# KiCad board digital.kicad_pcb (continued)
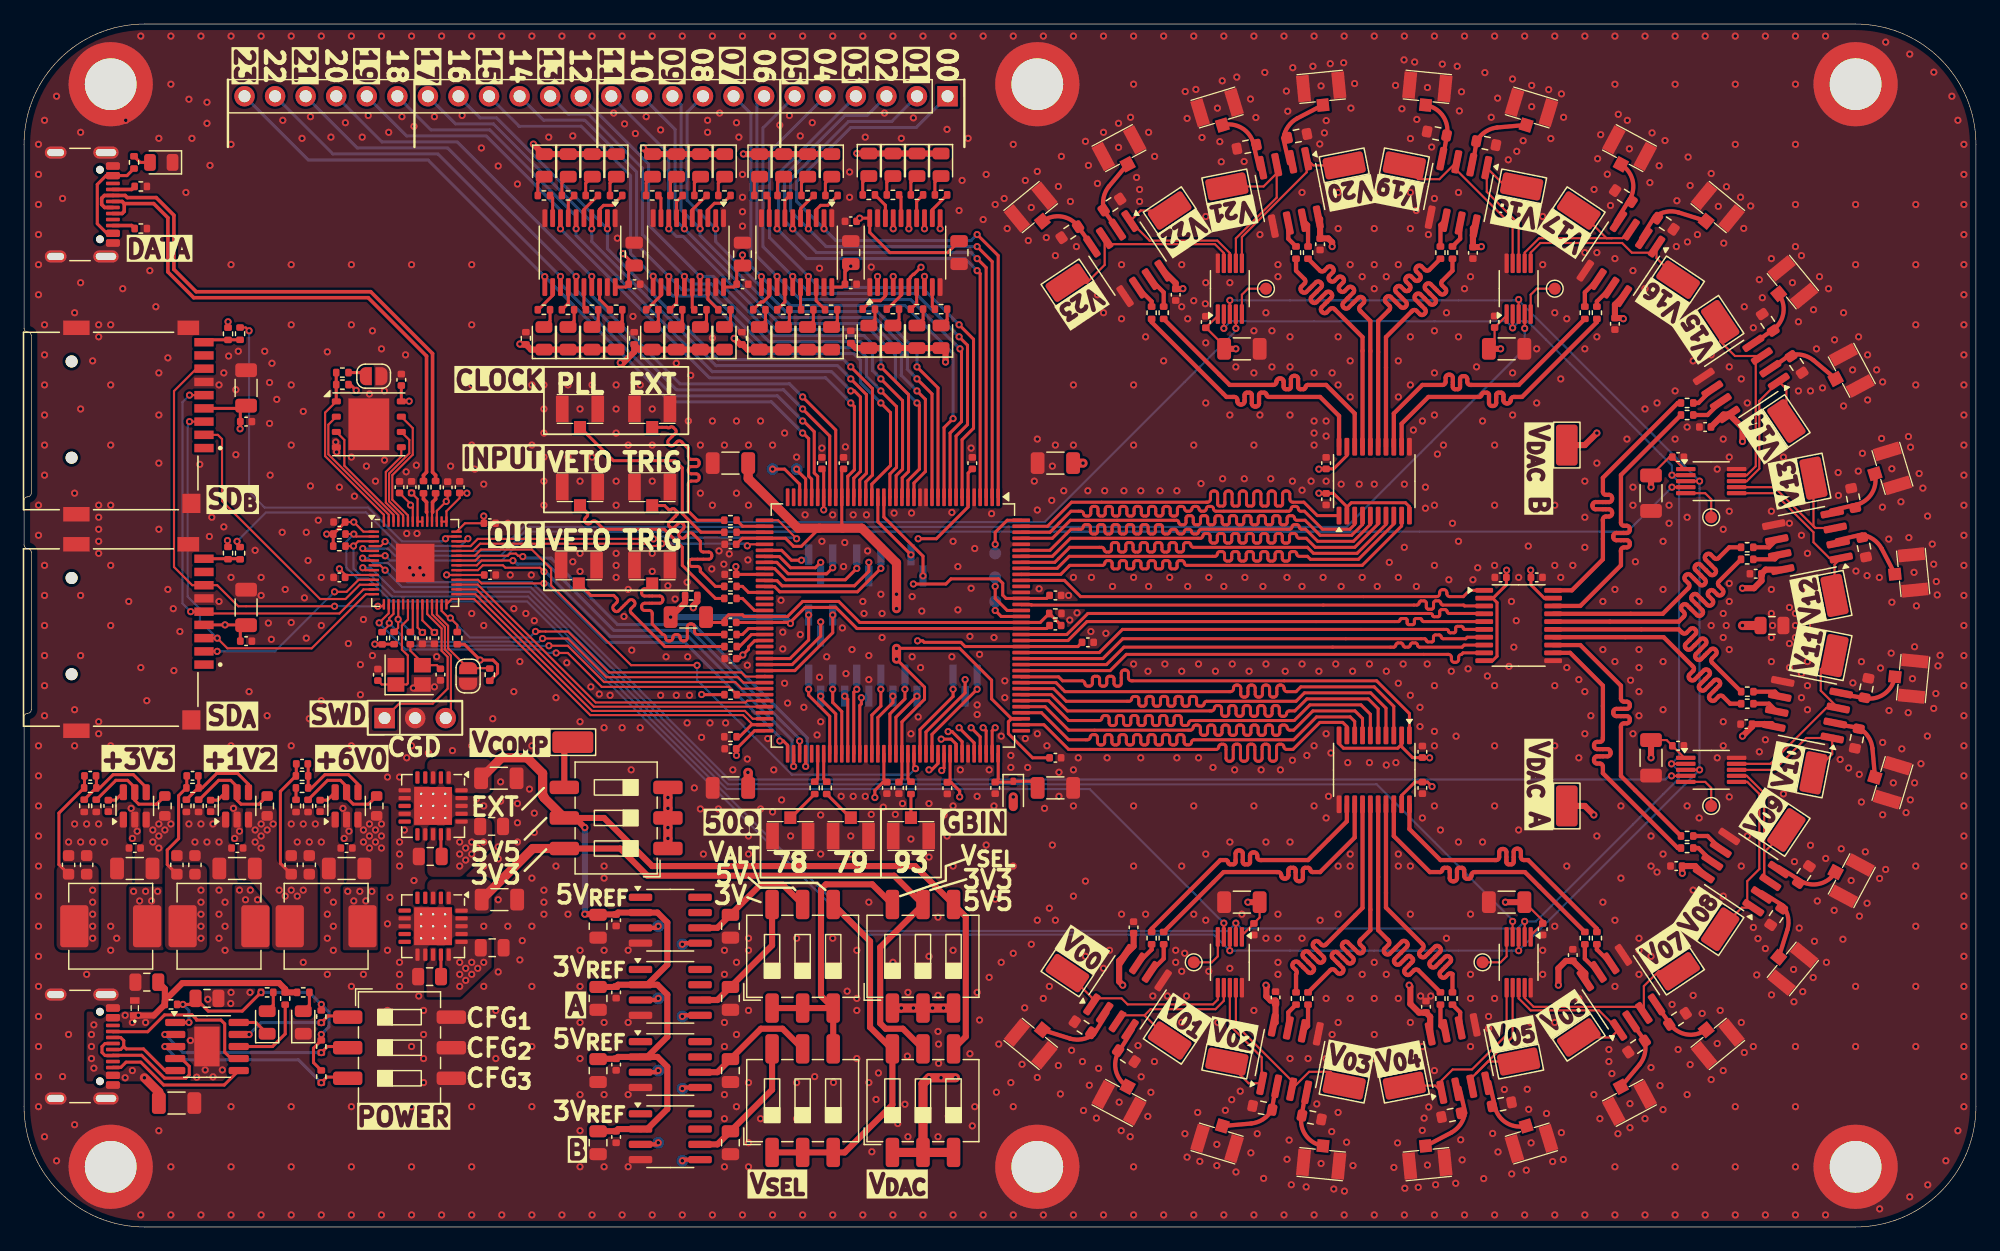
[diagram p0: board, top side]
## Placement (name value [footprint] x y rotation side) (continued)
TP18  TestPoint  [TestPoint_Pad_D1.0mm]  121.2 22 90 top
TP19  TestPoint_Alt  [TestPoint_Keystone_5015_Micro_Mini]  140.95 24.75 236.2 top
TP20  TestPoint_Alt  [TestPoint_Keystone_5015_Micro_Mini]  146.45 33 236.2 top
TP21  TestPoint_Alt  [TestPoint_Keystone_5015_Micro_Mini]  148.7 37.75 258.8 top
TP22  TestPoint_Alt  [TestPoint_Keystone_5015_Micro_Mini]  150.45 47.5 258.8 top
TP23  TestPoint  [TestPoint_Pad_D1.0mm]  140.2 35 90 top
TP24  TestPoint_Alt  [TestPoint_Keystone_5015_Micro_Mini]  128.2 65 270 top
TP25  TestPoint  [TestPoint_Pad_D1.0mm]  52.7 19 90 bottom
TP26  TestPoint_Alt  [TestPoint_Keystone_5015_Micro_Mini]  150.45 52.5 281.2 top
TP27  TestPoint  [TestPoint_Pad_D1.0mm]  54.7 17.5 90 bottom
TP28  TestPoint_Alt  [TestPoint_Keystone_5015_Micro_Mini]  148.7 62.25 281.2 top
TP29  TestPoint_Alt  [TestPoint_Keystone_5015_Micro_Mini]  146.45 67 303.8 top
TP30  TestPoint_Alt  [TestPoint_Keystone_5015_Micro_Mini]  140.95 75.25 303.8 top
TP31  TestPoint  [TestPoint_Pad_D1.0mm]  140.2 59 90 top
TP32  TestPoint_Alt  [TestPoint_Keystone_5015_Micro_Mini]  137.45 78.75 326.2 top
TP33  TestPoint_Alt  [TestPoint_Keystone_5015_Micro_Mini]  129.2 84.5 326.2 top
TP34  TestPoint  [TestPoint_Pad_D1.0mm]  52.7 25 90 bottom
TP35  TestPoint_Alt  [TestPoint_Keystone_5015_Micro_Mini]  124.45 86.5 348.8 top
TP36  TestPoint  [TestPoint_Pad_D1.0mm]  54.7 23.5 90 bottom
TP37  TestPoint_Alt  [TestPoint_Keystone_5015_Micro_Mini]  114.7 88.25 348.8 top
TP38  TestPoint  [TestPoint_Pad_D1.0mm]  127.2 78 90 top
TP39  TestPoint_Alt  [TestPoint_Keystone_5015_Micro_Mini]  109.7 88.25 11.2 top
TP40  TestPoint_Alt  [TestPoint_Keystone_5015_Micro_Mini]  99.95 86.5 11.2 top
TP41  TestPoint_Alt  [TestPoint_Keystone_5015_Micro_Mini]  95.2 84.5 33.8 top
TP42  TestPoint_Alt  [TestPoint_Keystone_5015_Micro_Mini]  86.7 78.5 33.8 top
TP43  TestPoint  [TestPoint_Pad_D1.0mm]  103.2 78 180 top
TP44  TestPoint_Alt  [TestPoint_Keystone_5015_Micro_Mini]  45.6 40.3 0 top
TP45  TestPoint  [TestPoint_Pad_D1.0mm]  64.2 63 90 bottom
TP46  TestPoint  [TestPoint_Pad_D1.0mm]  62.2 63 90 bottom
U1  ICE40HX4K-TQ144  [TQFP-144_20x20mm_P0.5mm]  72.2 50 270 top
U2  74HC244  [TSSOP-20_4.4x6.5mm_P0.65mm]  73.2 81 90 top
U3  W25Q32JVZP  [WSON-8-1EP_6x5mm_P1.27mm_EP3.4x4.3mm]  28.65 66.72 0 top
U4  RP2040  [QFN-56-1EP_7x7mm_P0.4mm_EP3.2x3.2mm]  32.5 55.2 0 top
U5  TPS54302  [SOT-23-6]  17.7 35 90 top
U6  TPS7A4701  [Texas_RGW0020A_VQFN-20-1EP_5x5mm_P0.65mm_EP3.15x3.15mm_ThermalVias]  33.99 25 270 top
U7  TPS7A4701  [Texas_RGW0020A_VQFN-20-1EP_5x5mm_P0.65mm_EP3.15x3.15mm_ThermalVias]  33.99 35 270 top
U8  TPS54302  [SOT-23-6]  9.2 35 90 top
U9  TPS54302  [SOT-23-6]  26.8 35 90 top
U10  CH224K  [SSOP-10-1EP_3.9x4.9mm_P1mm_EP2.1x3.3mm]  15.2 15 0 top
U11  74HC244  [TSSOP-20_4.4x6.5mm_P0.65mm]  64.2 81 270 top
U12  74HC244  [TSSOP-20_4.4x6.5mm_P0.65mm]  55.2 81 270 top
U13  74HC244  [TSSOP-20_4.4x6.5mm_P0.65mm]  46.2 81 270 top
U14  REF5030ID  [SOIC-8_3.9x4.9mm_P1.27mm]  53.7 7.5 0 top
U15  MCP4728  [MSOP-10_3x3mm_P0.5mm]  100.2 22 270 top
U16  MCP4728  [MSOP-10_3x3mm_P0.5mm]  124.2 22 270 top
U17  REF5050ID  [SOIC-8_3.9x4.9mm_P1.27mm]  53.7 13.5 0 top  (not fitted)
U18  MCP4728  [MSOP-10_3x3mm_P0.5mm]  140.2 38 0 top
U19  REF5030ID  [SOIC-8_3.9x4.9mm_P1.27mm]  53.7 19.5 0 top
U20  MCP4728  [MSOP-10_3x3mm_P0.5mm]  140.2 62 0 top
U21  MCP4728  [MSOP-10_3x3mm_P0.5mm]  124.2 78 90 top
U22  REF5050ID  [SOIC-8_3.9x4.9mm_P1.27mm]  53.7 25.5 0 top  (not fitted)
U23  MCP4728  [MSOP-10_3x3mm_P0.5mm]  100.2 78 90 top
U24  TXB0108PW  [TSSOP-20_4.4x6.5mm_P0.65mm]  112.2 38 270 top
U25  TLV3502AIDR  [SOIC-8_3.9x4.9mm_P1.27mm]  91.7 19.5 56.2 top
U26  TLV3502AIDR  [SOIC-8_3.9x4.9mm_P1.27mm]  148.2 57 191.2 top
U27  TLV3502AIDR  [SOIC-8_3.9x4.9mm_P1.27mm]  105.2 14 78.8 top
U28  TLV3502AIDR  [SOIC-8_3.9x4.9mm_P1.27mm]  142.7 70.5 213.8 top
U29  TXB0108PW  [TSSOP-20_4.4x6.5mm_P0.65mm]  124.2 50 0 top
U30  TLV3502AIDR  [SOIC-8_3.9x4.9mm_P1.27mm]  119.2 14 101.2 top
U31  TLV3502AIDR  [SOIC-8_3.9x4.9mm_P1.27mm]  132.7 80.5 236.2 top
U32  TLV3502AIDR  [SOIC-8_3.9x4.9mm_P1.27mm]  132.7 19.5 123.8 top
U33  TLV3502AIDR  [SOIC-8_3.9x4.9mm_P1.27mm]  119.2 86 258.8 top
U34  TXB0108PW  [TSSOP-20_4.4x6.5mm_P0.65mm]  112.2 62 90 top
U35  TLV3502AIDR  [SOIC-8_3.9x4.9mm_P1.27mm]  142.7 29.5 146.2 top
U36  TLV3502AIDR  [SOIC-8_3.9x4.9mm_P1.27mm]  105.2 86 281.2 top
U37  TLV3502AIDR  [SOIC-8_3.9x4.9mm_P1.27mm]  148.2 43 168.8 top
U38  TLV3502AIDR  [SOIC-8_3.9x4.9mm_P1.27mm]  91.7 80.5 303.8 top
Y1  12 MHz ABM8-272-T3  [Crystal_SMD_Abracon_ABM8AIG-4Pin_3.2x2.5mm]  32 45.9 0 top

## Library data of the parts
C1 C3-C9 C11-C15 C17 C19 C21 C22 C24-C32 C36 C38 C41 C43 C51 C55 C59 C61 C69 C71 C73 C74 C77 C80 C81 C85 C86 C89 C92 C93 C97-C111 C113-C116 = -: Description: Unpolarized capacitor; LCSC: C307331; ki_fp_filters: C_*
C2 C16 C18 C20 C23 = -: Description: Unpolarized capacitor; LCSC: C29823; ki_fp_filters: C_*
C10 C47 C48 C52 C53 C66-C68 C70 C72 C75 C78 C82 C83 C87 C90 C94 C95 C112 = -: Description: Unpolarized capacitor; LCSC: C28323; ki_fp_filters: C_*
C33 C34 = -: Description: Unpolarized capacitor; LCSC: C52923; ki_fp_filters: C_*
C35 C37 C42 C49 C50 C54 C60 C65 C76 C79 C84 C88 C91 C96 = -: Description: Unpolarized capacitor; LCSC: C13585; ki_fp_filters: C_*
C39 C40 = -: Description: Unpolarized capacitor; LCSC: C1548; ki_fp_filters: C_*
C44 C56 C62 = -: Description: Unpolarized capacitor; LCSC: C1567; ki_fp_filters: C_*
C45 C46 C57 C58 C63 C64 = -: Description: Unpolarized capacitor; LCSC: C59461; ki_fp_filters: C_*
D1-D6 D8 D9 D11-D37 = -: Description: Light emitting diode; Sim.Pins: 1=K 2=A; LCSC: C2297; ki_fp_filters: LED* LED_SMD:* LED_THT:*
D7 = -: Description: Diode; Sim.Device: D; Sim.Pins: 1=K 2=A; LCSC: C2128; ki_fp_filters: TO-???* *_Diode_* *SingleDiode* D_*
D10 = -: Description: Zener diode; LCSC: C1974707; ki_fp_filters: TO-???* *_Diode_* *SingleDiode* D_*
H1-H6 = -: Description: Mounting Hole with connection; ki_fp_filters: MountingHole*Pad*
J1-J9 J21-J44 = -: Description: small coaxial connector (BNC, SMA, SMB, SMC, Cinch/RCA, LEMO, ...); LCSC: C496552; ki_fp_filters: *BNC* *SMA* *SMB* *SMC* *Cinch* *LEMO* *UMRF* *MCX* *U.FL*
J10 J11 J13 J15 J17 = -: Description: Generic connector, single row, 01x03, script generated; ki_fp_filters: Connector*:*_1x??_*
J12 = -: Description: Generic connector, single row, 01x10, script generated; ki_fp_filters: Connector*:*_1x??_*
J14 = -: Description: Generic connector, single row, 01x02, script generated; ki_fp_filters: Connector*:*_1x??_*
J16 J18 = -: Datasheet: https://datasheet.lcsc.com/lcsc/2110151630_XKB-Connectivity-XKTF-015-N_C381082.pdf; Description: Micro SD Card Socket with one card detection pin; LCSC: C91145; ki_fp_filters: microSD*
J19 J20 = -: Datasheet: https://www.usb.org/sites/default/files/documents/usb_type-c.zip; Description: USB 2.0-only 16P Type-C Receptacle connector; LCSC: C165948; ki_fp_filters: USB*C*Receptacle*
J45 = -: Description: Generic connector, single row, 01x24, script generated; ki_fp_filters: Connector*:*_1x??_*
JP1 JP2 = -: Description: Solder Jumper, 2-pole, open; ki_fp_filters: SolderJumper*Open*
L1-L3 = -: Description: Inductor; LCSC: C167223; ki_fp_filters: Choke_* *Coil* Inductor_* L_*
R1-R9 R19 R33 R36 R69 R78 R88 = -: Description: Resistor; LCSC: C17168; ki_fp_filters: R_*
R10-R16 R18 R58 R61-R68 R70-R77 R80-R87 = -: Description: Resistor; LCSC: C25117; ki_fp_filters: R_*
R17 = -: Description: Resistor; LCSC: C25076; ki_fp_filters: R_*
R20 = -: Description: Resistor; ki_fp_filters: R_*
R21 R28-R32 R34 R35 R48 R51 R55-R57 = -: Description: Resistor; LCSC: C25744; ki_fp_filters: R_*
R22 R23 = -: Description: Resistor; LCSC: C25900; ki_fp_filters: R_*
R24 R27 R37 R50 R52 R54 = -: Description: Resistor; LCSC: C11702; ki_fp_filters: R_*
R25 R26 = -: Description: Resistor; LCSC: C138021; ki_fp_filters: R_*
R38 R40 R41 R45 R49 = -: Description: Resistor; LCSC: C25792; ki_fp_filters: R_*
R39 R43 R47 = -: Description: Resistor; LCSC: C22961; ki_fp_filters: R_*
R42 R46 = -: Description: Resistor; LCSC: C25741; ki_fp_filters: R_*
R44 R53 = -: Description: Resistor; LCSC: C25768; ki_fp_filters: R_*
R59 R60 = -: Description: Resistor; LCSC: C25905; ki_fp_filters: R_*
R89 R90 R96 R97 R101-R104 R107 R108 R114 R115 R117-R120 R124 R125 R131-R136 = -: Description: Resistor; LCSC: C23185; ki_fp_filters: R_*
R91-R95 R98-R100 R105 R106 R109-R113 R116 R121-R123 R126-R130 = -: Description: Resistor; LCSC: C25077; ki_fp_filters: R_*
SW1-SW6 = -: Description: 3x DIP Switch, Single Pole Single Throw (SPST) switch, small symbol; LCSC: C129079; ki_fp_filters: SW?DIP?x3*
TP1-TP3 TP5 TP6 TP11 TP14 TP16 TP18 TP23 TP25 TP27 TP31 TP34 TP36 TP38 TP43 TP45 TP46 = -: Description: test point; ki_fp_filters: Pin* Test*
TP4 TP7-TP10 TP12 TP13 TP15 TP17 TP19-TP22 TP24 TP26 TP28-TP30 TP32 TP33 TP35 TP37 TP39-TP42 TP44 = -: Description: test point (alternative shape); LCSC: C159868; ki_fp_filters: Pin* Test*
U1 = -: Datasheet: http://www.latticesemi.com/Products/FPGAandCPLD/iCE40; Description: iCE40 HX FPGA, 3520 LUTs, 1.2V, TQFP-144; ki_fp_filters: TQFP*20x20mm*P0.5mm*
U2 U11-U13 = -: Datasheet: https://assets.nexperia.com/documents/data-sheet/74HC_HCT244.pdf; Description: 8-bit Buffer/Line Driver 3-state; LCSC: C6835; ki_fp_filters: TSSOP*4.4x6.5mm*P0.65mm* SSOP*4.4x6.5mm*P0.65mm*
U3 = -: Datasheet: http://www.winbond.com/resource-files/w25q32jv%20revg%2003272018%20plus.pdf; Description: 32Mbit / 4MiB Serial Flash Memory, Standard/Dual/Quad SPI, 2.7-3.6V, WSON-8; LCSC: C571260; ki_fp_filters: WSON*1EP*6x5mm*P1.27mm*
U4 = -: Datasheet: https://datasheets.raspberrypi.com/rp2040/rp2040-datasheet.pdf; Description: A microcontroller by Raspberry Pi; LCSC: C2040; ki_fp_filters: QFN*1EP*7x7mm?P0.4mm*
U5 U8 U9 = -: Datasheet: http://www.ti.com/lit/ds/symlink/tps54302.pdf; Description: 3A, 4.5 to 28V Input, EMI Friendly integrated switch synchronous step-down regulator, pulse-skipping, SOT-23-6; LCSC: C129370; ki_fp_filters: SOT?23*
U6 U7 = -: Datasheet: https://www.ti.com/lit/ds/symlink/tps7a47.pdf; Description: 1A, Low-Noise Low-Dropout Voltage Regulator, 3-35V Input, Adjustable 1.4-34V Output, VQFN-20; LCSC: C90084; ki_fp_filters: Texas*RGW0020A*
U10 = -: Datasheet: https://www.wch.cn/downloads/file/301.html; Description: 100W USB Type-C PD3.0/2.0, BC1.2 Sink Controller, SSOP-10; LCSC: C970725; ki_fp_filters: SSOP*3.9x4.9mm*P1mm*EP2.1x3.3mm*
U14 U19 = -: Datasheet: http://www.ti.com/lit/ds/symlink/ref5030.pdf; Description: 3V 0.05% 10mA Low Noise Precision Voltage Reference, SO-8; LCSC: C2878155; ki_fp_filters: SOIC*3.9x4.9mm*P1.27mm*
U15 U16 U18 U20 U21 U23 = -: Datasheet: http://ww1.microchip.com/downloads/en/DeviceDoc/22187E.pdf; Description: 12-bit digital to analog converter, quad output, 2.048V internal reference, integrated EEPROM, I2C interface; LCSC: C108207; ki_fp_filters: *SOP*3x3mm*P0.5mm*
U17 U22 = -: Datasheet: http://www.ti.com/lit/ds/symlink/ref5030.pdf; Description: 5V 0.05% 10mA Low Noise Precision Voltage Reference, SO-8; ki_fp_filters: SOIC*3.9x4.9mm*P1.27mm*
U24 U29 U34 = -: Datasheet: http://www.ti.com/lit/ds/symlink/txb0108.pdf; Description: 8-Bit Bidirectional Voltage-Level Translator, Auto Direction Sensing and ±15-kV ESD Protection, 1.2 - 3.6V APort, 1.65 - 5.5V BPort, TSSOP-20; LCSC: C53406; ki_fp_filters: TSSOP*4.4x6.5mm*P0.65mm*
Y1 = -: Description: Four pin crystal, GND on pins 2 and 4, small symbol; LCSC: C20625731; ki_fp_filters: Crystal*

## Footprints (pads in the part's own frame, mm; a bottom-side part is the same pattern mirrored in y, then rotated)
BWIPX-1-001E
  rect 1x1.05 smd: 1(0,1.525)
  rect 1.05x2.2 smd: 2(-1.475,0) 2(1.475,0)
C_0402_1005Metric
  rrect 0.56x0.62 smd: 1(-0.48,0) 2(0.48,0)
C_0603_1608Metric
  rrect 0.9x0.95 smd: 1(-0.775,0) 2(0.775,0)
C_0805_2012Metric
  rrect 1x1.45 smd: 1(-0.95,0) 2(0.95,0)
C_1206_3216Metric
  rrect 1.15x1.8 smd: 1(-1.475,0) 2(1.475,0)
Crystal_SMD_Abracon_ABM8AIG-4Pin_3.2x2.5mm
  rect 1.4x1.2 smd: 1(-1.1,-0.8) 2(1.1,-0.8) 3(1.1,0.8) 4(-1.1,0.8)
D_1610_4027Metric
  rrect 0.55x0.8 smd: 1(-0.625,0) 2(0.625,0)
D_SOD-323
  rrect 0.6x0.45 smd: 1(-1.05,0) 2(1.05,0)
L_Changjiang_FXL0630
  rrect 2.35x3.5 smd: 1(-3.025,0) 2(3.025,0)
LED_0805_2012Metric
  rrect 0.975x1.4 smd: 1(-0.938,0) 2(0.938,0)
microSD_HC_MSD-4-A
  round 1 hole 1 unplated: (-4.95,-3.25) (3.05,-3.25)
  rect 0.7x1.6 smd: 1(2.25,7.75) 2(1.15,7.75) 3(0.05,7.75) 4(-1.05,7.75) 5(-2.15,7.75) 6(-3.25,7.75) 7(-4.35,7.75) 8(-5.45,7.75) 9(-6.55,7.75)
  rect 1.2x1.8 smd: 10(-7.75,6.45)
  rect 1.2x2.2 smd: 10(-7.75,-2.85) 10(7.75,-2.85)
  rect 1.6x1.5 smd: 10(6.85,6.7)
MountingHole_4.3mm_M4_ISO14580_Pad_TopBottom
  round 4.7 hole 4.3: 1(0,0)
  round 7 smd: 1(0,0)
  round 7 smd far side: 1(0,0)
MSOP-10_3x3mm_P0.5mm
  rrect 1.625x0.35 smd: 1(-2.112,1) 2(-2.112,0.5) 3(-2.112,0) 4(-2.112,-0.5) 5(-2.112,-1) 6(2.112,-1) 7(2.112,-0.5) 8(2.112,0) 9(2.112,0.5) 10(2.112,1)
PinHeader_1x02_P1.00mm_Vertical_SMD_Pin1Left
  rect 1.75x0.6 smd: 1(-0.875,0.5) 2(0.875,-0.5)
PinHeader_1x03_P1.00mm_Vertical_SMD_Pin1Left
  rect 1.75x0.6 smd: 1(-0.875,1) 2(0.875,0) 3(-0.875,-1)
PinHeader_1x03_P2.54mm_Vertical
  rect 1.7x1.7 hole 1: 1(0,0)
  round 1.7 hole 1: 2(0,-2.54) 3(0,-5.08)
PinHeader_1x10_P1.00mm_Vertical_SMD_Pin1Left
  rect 1.75x0.6 smd: 1(-0.875,4.5) 2(0.875,3.5) 3(-0.875,2.5) 4(0.875,1.5) 5(-0.875,0.5) 6(0.875,-0.5) 7(-0.875,-1.5) 8(0.875,-2.5) 9(-0.875,-3.5) 10(0.875,-4.5)
PinHeader_1x24_P2.54mm_Vertical
  rect 1.7x1.7 hole 1: 1(0,0)
  round 1.7 hole 1: 2(0,-2.54) 3(0,-5.08) 4(0,-7.62) 5(0,-10.16) 6(0,-12.7) 7(0,-15.24) 8(0,-17.78) 9(0,-20.32) 10(0,-22.86) 11(0,-25.4) 12(0,-27.94) 13(0,-30.48) 14(0,-33.02) 15(0,-35.56) 16(0,-38.1) 17(0,-40.64) 18(0,-43.18) 19(0,-45.72) 20(0,-48.26) 21(0,-50.8) 22(0,-53.34) 23(0,-55.88) 24(0,-58.42)
QFN-56-1EP_7x7mm_P0.4mm_EP3.2x3.2mm
  rrect 1.29x1.29 smd: (-0.8,0.8) (-0.8,-0.8) (0.8,0.8) (0.8,-0.8)
  rrect 0.875x0.2 smd: 1(-3.438,2.6) 2(-3.438,2.2) 3(-3.438,1.8) 4(-3.438,1.4) 5(-3.438,1) 6(-3.438,0.6) 7(-3.438,0.2) 8(-3.438,-0.2) 9(-3.438,-0.6) 10(-3.438,-1) 11(-3.438,-1.4) 12(-3.438,-1.8) 13(-3.438,-2.2) 14(-3.438,-2.6) 29(3.438,-2.6) 30(3.438,-2.2) 31(3.438,-1.8) 32(3.438,-1.4) 33(3.438,-1) 34(3.438,-0.6) 35(3.438,-0.2) 36(3.438,0.2) 37(3.438,0.6) 38(3.438,1) 39(3.438,1.4) 40(3.438,1.8) 41(3.438,2.2) 42(3.438,2.6)
  rrect 0.2x0.875 smd: 15(-2.6,-3.438) 16(-2.2,-3.438) 17(-1.8,-3.438) 18(-1.4,-3.438) 19(-1,-3.438) 20(-0.6,-3.438) 21(-0.2,-3.438) 22(0.2,-3.438) 23(0.6,-3.438) 24(1,-3.438) 25(1.4,-3.438) 26(1.8,-3.438) 27(2.2,-3.438) 28(2.6,-3.438) 43(2.6,3.438) 44(2.2,3.438) 45(1.8,3.438) 46(1.4,3.438) 47(1,3.438) 48(0.6,3.438) 49(0.2,3.438) 50(-0.2,3.438) 51(-0.6,3.438) 52(-1,3.438) 53(-1.4,3.438) 54(-1.8,3.438) 55(-2.2,3.438) 56(-2.6,3.438)
  rect 3.2x3.2 smd: 57(0,0)
R_0402_1005Metric
  rrect 0.54x0.64 smd: 1(-0.51,0) 2(0.51,0)
R_0603_1608Metric
  rrect 0.8x0.95 smd: 1(-0.825,0) 2(0.825,0)
SOIC-8_3.9x4.9mm_P1.27mm
  rrect 1.95x0.6 smd: 1(-2.475,1.905) 2(-2.475,0.635) 3(-2.475,-0.635) 4(-2.475,-1.905) 5(2.475,-1.905) 6(2.475,-0.635) 7(2.475,0.635) 8(2.475,1.905)
SolderJumper-2_P1.3mm_Open_RoundedPad1.0x1.5mm
  custom 1x1.5 smd: 1(-0.65,0) 2(0.65,0)
SOT-23-6
  rrect 1.325x0.6 smd: 1(-1.137,0.95) 2(-1.137,0) 3(-1.137,-0.95) 4(1.137,-0.95) 5(1.137,0) 6(1.137,0.95)
SSOP-10-1EP_3.9x4.9mm_P1mm_EP2.1x3.3mm
  rrect 1.69x2.66 smd: (0,0)
  rrect 1.675x0.6 smd: 1(-2.638,2) 2(-2.638,1) 3(-2.638,0) 4(-2.638,-1) 5(-2.638,-2) 6(2.638,-2) 7(2.638,-1) 8(2.638,0) 9(2.638,1) 10(2.638,2)
  rect 2.1x3.3 smd: 11(0,0)
SW_DIP_SPSTx03_Slide_6.7x9.18mm_W8.61mm_P2.54mm_LowProfile
  rrect 2.44x1.12 smd: 1(-4.305,2.54) 2(-4.305,0) 3(-4.305,-2.54) 4(4.305,-2.54) 5(4.305,0) 6(4.305,2.54)
TestPoint_Keystone_5015_Micro_Mini
  rrect 3.4x1.8 smd: 1(0,0)
TestPoint_Pad_D1.0mm
  round 1 smd: 1(0,0)
Texas_RGW0020A_VQFN-20-1EP_5x5mm_P0.65mm_EP3.15x3.15mm_ThermalVias
  rrect 1.27x1.27 smd: (-0.79,0.79) (-0.79,-0.79) (0.79,0.79) (0.79,-0.79)
  rrect 1.025x0.35 smd: 1(-2.362,1.3) 2(-2.362,0.65) 3(-2.362,0) 4(-2.362,-0.65) 5(-2.362,-1.3) 11(2.362,-1.3) 12(2.362,-0.65) 13(2.362,0) 14(2.362,0.65) 15(2.362,1.3)
  rrect 0.35x1.025 smd: 6(-1.3,-2.362) 7(-0.65,-2.362) 8(0,-2.362) 9(0.65,-2.362) 10(1.3,-2.362) 16(1.3,2.362) 17(0.65,2.362) 18(0,2.362) 19(-0.65,2.362) 20(-1.3,2.362)
  round 0.5 hole 0.2: 21(-1,1) 21(-1,0) 21(-1,-1) 21(0,1) 21(0,0) 21(0,-1) 21(1,1) 21(1,0) 21(1,-1)
  rect 2.5x2.5 smd far side: 21(0,0)
  rect 3.15x3.15 smd: 21(0,0)
TQFP-144_20x20mm_P0.5mm
  rrect 1.475x0.3 smd: 1(-10.662,8.75) 2(-10.662,8.25) 3(-10.662,7.75) 4(-10.662,7.25) 5(-10.662,6.75) 6(-10.662,6.25) 7(-10.662,5.75) 8(-10.662,5.25) 9(-10.662,4.75) 10(-10.662,4.25) 11(-10.662,3.75) 12(-10.662,3.25) 13(-10.662,2.75) 14(-10.662,2.25) 15(-10.662,1.75) 16(-10.662,1.25) 17(-10.662,0.75) 18(-10.662,0.25) 19(-10.662,-0.25) 20(-10.662,-0.75) 21(-10.662,-1.25) 22(-10.662,-1.75) 23(-10.662,-2.25) 24(-10.662,-2.75) 25(-10.662,-3.25) 26(-10.662,-3.75) 27(-10.662,-4.25) 28(-10.662,-4.75) 29(-10.662,-5.25) 30(-10.662,-5.75) 31(-10.662,-6.25) 32(-10.662,-6.75) 33(-10.662,-7.25) 34(-10.662,-7.75) 35(-10.662,-8.25) 36(-10.662,-8.75) 73(10.662,-8.75) 74(10.662,-8.25) 75(10.662,-7.75) 76(10.662,-7.25) 77(10.662,-6.75) 78(10.662,-6.25) 79(10.662,-5.75) 80(10.662,-5.25) 81(10.662,-4.75) 82(10.662,-4.25) 83(10.662,-3.75) 84(10.662,-3.25) 85(10.662,-2.75) 86(10.662,-2.25) 87(10.662,-1.75) 88(10.662,-1.25) 89(10.662,-0.75) 90(10.662,-0.25) 91(10.662,0.25) 92(10.662,0.75) 93(10.662,1.25) 94(10.662,1.75) 95(10.662,2.25) 96(10.662,2.75) 97(10.662,3.25) 98(10.662,3.75) 99(10.662,4.25) 100(10.662,4.75) 101(10.662,5.25) 102(10.662,5.75) 103(10.662,6.25) 104(10.662,6.75) 105(10.662,7.25) 106(10.662,7.75) 107(10.662,8.25) 108(10.662,8.75)
  rrect 0.3x1.475 smd: 37(-8.75,-10.662) 38(-8.25,-10.662) 39(-7.75,-10.662) 40(-7.25,-10.662) 41(-6.75,-10.662) 42(-6.25,-10.662) 43(-5.75,-10.662) 44(-5.25,-10.662) 45(-4.75,-10.662) 46(-4.25,-10.662) 47(-3.75,-10.662) 48(-3.25,-10.662) 49(-2.75,-10.662) 50(-2.25,-10.662) 51(-1.75,-10.662) 52(-1.25,-10.662) 53(-0.75,-10.662) 54(-0.25,-10.662) 55(0.25,-10.662) 56(0.75,-10.662) 57(1.25,-10.662) 58(1.75,-10.662) 59(2.25,-10.662) 60(2.75,-10.662) 61(3.25,-10.662) 62(3.75,-10.662) 63(4.25,-10.662) 64(4.75,-10.662) 65(5.25,-10.662) 66(5.75,-10.662) 67(6.25,-10.662) 68(6.75,-10.662) 69(7.25,-10.662) 70(7.75,-10.662) 71(8.25,-10.662) 72(8.75,-10.662) 109(8.75,10.662) 110(8.25,10.662) 111(7.75,10.662) 112(7.25,10.662) 113(6.75,10.662) 114(6.25,10.662) 115(5.75,10.662) 116(5.25,10.662) 117(4.75,10.662) 118(4.25,10.662) 119(3.75,10.662) 120(3.25,10.662) 121(2.75,10.662) 122(2.25,10.662) 123(1.75,10.662) 124(1.25,10.662) 125(0.75,10.662) 126(0.25,10.662) 127(-0.25,10.662) 128(-0.75,10.662) 129(-1.25,10.662) 130(-1.75,10.662) 131(-2.25,10.662) 132(-2.75,10.662) 133(-3.25,10.662) 134(-3.75,10.662) 135(-4.25,10.662) 136(-4.75,10.662) 137(-5.25,10.662) 138(-5.75,10.662) 139(-6.25,10.662) 140(-6.75,10.662) 141(-7.25,10.662) 142(-7.75,10.662) 143(-8.25,10.662) 144(-8.75,10.662)
TSSOP-20_4.4x6.5mm_P0.65mm
  rrect 1.475x0.4 smd: 1(-2.862,2.925) 2(-2.862,2.275) 3(-2.862,1.625) 4(-2.862,0.975) 5(-2.862,0.325) 6(-2.862,-0.325) 7(-2.862,-0.975) 8(-2.862,-1.625) 9(-2.862,-2.275) 10(-2.862,-2.925) 11(2.862,-2.925) 12(2.862,-2.275) 13(2.862,-1.625) 14(2.862,-0.975) 15(2.862,-0.325) 16(2.862,0.325) 17(2.862,0.975) 18(2.862,1.625) 19(2.862,2.275) 20(2.862,2.925)
USB_C_Receptacle_GCT_USB4105-xx-A_16P_TopMnt_Horizontal
  round 0.65 hole 0.65 unplated: (-2.89,2.605) (2.89,2.605)
  rrect 0.6x1.15 smd: A1(-3.2,3.68) A4(-2.4,3.68) A9(2.4,3.68) A12(3.2,3.68) B1(3.2,3.68) B4(2.4,3.68) B9(-2.4,3.68) B12(-3.2,3.68)
  rrect 0.3x1.15 smd: A5(-1.25,3.68) A6(-0.25,3.68) A7(0.25,3.68) A8(1.25,3.68) B5(1.75,3.68) B6(0.75,3.68) B7(-0.75,3.68) B8(-1.75,3.68)
  oval 1x2.1 hole 0.6x1.7: S1(-4.32,3.105) S1(4.32,3.105)
  oval 1x1.8 hole 0.6x1.4: S1(-4.32,-1.075) S1(4.32,-1.075)
WSON-8-1EP_6x5mm_P1.27mm_EP3.4x4.3mm
  rrect 1.37x1.73 smd: (-0.85,1.075) (-0.85,-1.075) (0.85,1.075) (0.85,-1.075)
  rrect 0.75x0.5 smd: 1(-2.7,1.905) 2(-2.7,0.635) 3(-2.7,-0.635) 4(-2.7,-1.905) 5(2.7,-1.905) 6(2.7,-0.635) 7(2.7,0.635) 8(2.7,1.905)
  rect 3.4x4.3 smd: 9(0,0)

## Nets
+1V1: C24.1 C25.1 C33.1 U4.23 U4.45 U4.50
+1V2: C12.1 C13.1 C14.1 C15.1 C16.1 C44.2 C45.2 C46.2 L1.2 R17.1 R38.2 U1.27 U1.40 U1.92 U1.111
+3V3: C1.1 C2.1 C3.1 C4.1 C5.1 C6.1 C7.1 C8.1 C9.1 C10.2 C11.2 C17.1 C18.1 C26.1 C27.1 C28.1 C29.1 C30.1 C31.1 C32.1 C34.1 C35.1 C36.1 C37.1 C38.1 C56.2 C57.2 C58.2 C68.2 C69.2 C70.2 C71.2 C72.2 C73.2 C99.1 C103.1 C109.1 D7.2 J16.4 J18.4 L2.2 R21.1 R22.1 R23.1 R24.2 R28.1 R29.1 R30.1 R31.1 R32.1 R35.1 R42.2 U1.6 U1.30 U1.46 U1.57 U1.72 U1.89 U1.100 U1.123 U1.131 U2.20 U3.8 U4.1 U4.10 U4.22 U4.33 U4.42 U4.43 U4.44 U4.48 U4.49 U11.20 U12.20 U13.20 U24.2 U24.10 U29.2 U29.10 U34.2 U34.10
+3V3_A: C49.1 SW2.5 SW4.5 SW6.6 U6.1 U6.3 U6.20
+5V5_A: C50.1 C74.1 C75.1 C81.1 C82.1 C86.1 C87.1 C93.1 C94.1 SW2.4 SW4.4 SW6.5 U7.1 U7.3 U7.20 U14.2 U17.2 U19.2 U22.2
+6V: C42.1 C43.2 C47.1 C48.1 C54.1 C55.2 C62.2 C63.2 C64.2 L3.2 R39.1 R43.1 R46.2 U5.3 U6.13 U6.15 U6.16 U7.13 U7.15 U7.16 U8.3
+20V: C60.1 C61.2 C65.1 C66.1 D10.1 J19.A4 J19.A9 J19.B4 J19.B9 R47.1 R51.1 R52.1 R53.1 U9.3
GND: C1.2 C2.2 C3.2 C4.2 C5.2 C6.2 C7.2 C8.2 C9.2 C10.1 C11.1 C12.2 C13.2 C14.2 C15.2 C16.2 C17.2 C18.2 C19.2 C20.2 C24.2 C25.2 C26.2 C27.2 C28.2 C29.2 C30.2 C31.2 C32.2 C33.2 C34.2 C35.2 C36.2 C37.2 C38.2 C39.1 C40.1 C42.2 C43.1 C45.1 C46.1 C47.2 C48.2 C49.2 C50.2 C52.2 C53.2 C54.2 C55.1 C57.1 C58.1 C60.2 C61.1 C63.1 C64.1 C65.2 C66.2 C67.2 C68.1 C69.1 C70.1 C71.1 C72.1 C73.1 C74.2 C75.2 C76.2 C77.2 C78.2 C79.2 C80.2 C81.2 C82.2 C83.2 C84.2 C85.2 C86.2 C87.2 C88.2 C89.2 C90.2 C91.2 C92.2 C93.2 C94.2 C95.2 C96.2 C97.2 C98.2 C99.2 C100.1 C101.1 C102.2 C103.2 C104.1 C105.1 C106.1 C107.1 C108.2 C109.2 C110.1 C111.1 C112.2 C113.1 C114.1 C115.1 C116.1 D10.2 D11.1 D13.1 H1.1 H2.1 H3.1 H4.1 H5.1 H6.1 J1.2 J2.2 J3.2 J4.2 J5.2 J6.2 J7.2 J8.2 J9.2 J16.6 J16.10 J17.2 J18.6 J18.10 J19.A1 J19.A12 J19.B1 J19.B12 J19.S1 J20.A1 J20.A12 J20.B1 J20.B12 J20.S1 J21.2 J22.2 J23.2 J24.2 J25.2 J26.2 J27.2 J28.2 J29.2 J30.2 J31.2 J32.2 J33.2 J34.2 J35.2 J36.2 J37.2 J38.2 J39.2 J40.2 J41.2 J42.2 J43.2 J44.2 JP1.1 JP2.1 R19.2 R20.2 R34.1 R40.1 R41.1 R44.1 R45.1 R49.1 R50.1 R59.1 R60.2 R69.2 R78.2 R88.2 R89.1 R90.1 R96.1 R97.1 R101.1 R102.1 R103.1 R104.1 R107.1 R108.1 R114.1 R115.1 R117.1 R118.1 R119.1 R120.1 R124.1 R125.1 R131.1 R132.1 R133.1 R134.1 R135.1 R136.1 SW1.4 SW1.5 SW1.6 U1.5 U1.13 U1.14 U1.59 U1.69 U1.86 U1.103 U1.132 U1.140 U2.1 U2.10 U2.19 U3.4 U3.9 U4.19 U4.57 U5.1 U6.2 U6.7 U6.8 U6.11 U6.12 U6.17 U6.18 U6.19 U6.21 U7.2 U7.6 U7.7 U7.9 U7.12 U7.17 U7.18 U7.19 U7.21 U8.1 U9.1 U10.11 U11.1 U11.10 U11.19 U12.1 U12.10 U12.19 U13.1 U13.10 U13.19 U14.4 U15.10 U16.10 U17.4 U18.10 U19.4 U20.10 U21.10 U22.4 U23.10 U24.11 U25.5 U26.5 U27.5 U28.5 U29.11 U30.5 U31.5 U32.5 U33.5 U34.11 U35.5 U36.5 U37.5 U38.5 Y1.2 Y1.4
/comparators/COMP_VCC: C98.1 C100.2 C101.2 C102.1 C104.2 C105.2 C106.2 C107.2 C108.1 C110.2 C111.2 C112.1 C113.2 C114.2 C115.2 C116.2 SW6.1 SW6.2 SW6.3 U24.19 U25.8 U26.8 U27.8 U28.8 U29.19 U30.8 U31.8 U32.8 U33.8 U34.19 U35.8 U36.8 U37.8 U38.8
/comparators/IN0: J21.1 R89.2 U25.2
/comparators/IN1: J23.1 R96.2 U25.4
/comparators/IN2: J25.1 R101.2 U27.2
/comparators/IN3: J27.1 R103.2 U27.4
/comparators/IN4: J29.1 R107.2 U30.2
/comparators/IN5: J31.1 R114.2 U30.4
/comparators/IN6: J33.1 R117.2 U32.2
/comparators/IN7: J35.1 R119.2 U32.4
/comparators/IN8: J37.1 R124.2 U35.2
/comparators/IN9: J39.1 R131.2 U35.4
/comparators/IN10: J41.1 R133.2 U37.2
/comparators/IN11: J43.1 R135.2 U37.4
/comparators/IN12: J22.1 R90.2 U26.2
/comparators/IN13: J24.1 R97.2 U26.4
/comparators/IN14: J26.1 R102.2 U28.2
/comparators/IN15: J28.1 R104.2 U28.4
/comparators/IN16: J30.1 R108.2 U31.2
/comparators/IN17: J32.1 R115.2 U31.4
/comparators/IN18: J34.1 R118.2 U33.2
/comparators/IN19: J36.1 R120.2 U33.4
/comparators/IN20: J38.1 R125.2 U36.2
/comparators/IN21: J40.1 R132.2 U36.4
/comparators/IN22: J42.1 R134.2 U38.2
/comparators/IN23: J44.1 R136.2 U38.4
/comparators/OUT0: R100.1 U25.7
/comparators/OUT1: R99.1 U25.6
/comparators/OUT2: R98.1 U27.7
/comparators/OUT3: R95.1 U27.6
/comparators/OUT4: R94.1 U30.7
/comparators/OUT5: R93.1 U30.6
/comparators/OUT6: R92.1 U32.7
/comparators/OUT7: R91.1 U32.6
/comparators/OUT8: R116.1 U35.7
/comparators/OUT9: R113.1 U35.6
/comparators/OUT10: R112.1 U37.7
/comparators/OUT11: R111.1 U37.6
/comparators/OUT12: R110.1 U26.7
/comparators/OUT13: R109.1 U26.6
/comparators/OUT14: R106.1 U28.7
/comparators/OUT15: R105.1 U28.6
/comparators/OUT16: R130.1 U31.7
/comparators/OUT17: R129.1 U31.6
/comparators/OUT18: R128.1 U33.7
/comparators/OUT19: R127.1 U33.6
/comparators/OUT20: R126.1 U36.7
/comparators/OUT21: R123.1 U36.6
/comparators/OUT22: R122.1 U38.7
/comparators/OUT23: R121.1 U38.6
/comparators/VREF0: TP7.1 U15.6 U25.1
/comparators/VREF1: TP8.1 U15.7 U25.3
/comparators/VREF2: TP9.1 U15.8 U27.1
/comparators/VREF3: TP10.1 U15.9 U27.3
/comparators/VREF4: TP12.1 U16.6 U30.1
/comparators/VREF5: TP13.1 U16.7 U30.3
/comparators/VREF6: TP15.1 U16.8 U32.1
/comparators/VREF7: TP17.1 U16.9 U32.3
/comparators/VREF8: TP19.1 U18.6 U35.1
/comparators/VREF9: TP20.1 U18.7 U35.3
/comparators/VREF10: TP21.1 U18.8 U37.1
/comparators/VREF11: TP22.1 U18.9 U37.3
/comparators/VREF12: TP26.1 U20.6 U26.1
/comparators/VREF13: TP28.1 U20.7 U26.3
/comparators/VREF14: TP29.1 U20.8 U28.1
/comparators/VREF15: TP30.1 U20.9 U28.3
/comparators/VREF16: TP32.1 U21.6 U31.1
/comparators/VREF17: TP33.1 U21.7 U31.3
/comparators/VREF18: TP35.1 U21.8 U33.1
/comparators/VREF19: TP37.1 U21.9 U33.3
/comparators/VREF20: TP39.1 U23.6 U36.1
/comparators/VREF21: TP40.1 U23.7 U36.3
/comparators/VREF22: TP41.1 U23.8 U38.1
/comparators/VREF23: TP42.1 U23.9 U38.3
/dac/VREF_A: C76.1 C77.1 C79.1 C80.1 C84.1 C85.1 SW2.1 SW2.2 SW2.3 TP4.1 U15.1 U16.1 U18.1
/dac/VREF_A_3V: C78.1 SW3.6 U14.6
/dac/VREF_A_5V: C83.1 SW3.5 U17.6
/dac/VREF_B: C88.1 C89.1 C91.1 C92.1 C96.1 C97.1 SW4.1 SW4.2 SW4.3 TP24.1 U20.1 U21.1 U23.1
/dac/VREF_B_3V: C90.1 SW5.6 U19.6
/dac/VREF_B_5V: C95.1 SW5.5 U22.6
/dac/VREF_SELECT_A: SW2.6 SW3.1 SW3.2 SW3.3 SW5.4
/dac/VREF_SELECT_B: SW3.4 SW4.6 SW5.1 SW5.2 SW5.3
/FPGA/ALT_CLK: R4.2 U1.93
/FPGA/BNC_0: R1.2 U1.78
/FPGA/BNC_1: R2.2 U1.79
/FPGA/CDONE: R30.2 U1.65 U4.17
/FPGA/CS: R34.2 U1.71 U4.28
/FPGA/D0: U1.73 U4.32
/FPGA/D1: U1.74 U4.34
/FPGA/D2: U1.75 U4.35
/FPGA/D3: U1.76 U4.36
/FPGA/DEBUG_0: J45.1 U1.1 U11.2
/FPGA/DEBUG_1: J45.2 U1.2 U11.4
/FPGA/DEBUG_2: J45.3 U1.3 U11.6
/FPGA/DEBUG_3: J45.4 U1.4 U11.8
/FPGA/DEBUG_4: J45.5 U1.7 U11.17
/FPGA/DEBUG_5: J45.6 U1.8 U11.15
/FPGA/DEBUG_6: J45.7 U1.9 U11.13
/FPGA/DEBUG_7: J45.8 U1.10 U11.11
/FPGA/DEBUG_8: J45.9 U1.11 U12.2
/FPGA/DEBUG_9: J45.10 U1.12 U12.4
/FPGA/DEBUG_10: J45.11 U1.15 U12.6
/FPGA/DEBUG_11: J45.12 U1.16 U12.8
/FPGA/DEBUG_12: J45.13 U1.17 U12.17
/FPGA/DEBUG_13: J45.14 U1.18 U12.15
/FPGA/DEBUG_14: J45.15 U1.19 U12.13
/FPGA/DEBUG_15: J45.16 U1.22 U12.11
/FPGA/DEBUG_16: J45.17 U1.23 U13.2
/FPGA/DEBUG_17: J45.18 U1.24 U13.4
/FPGA/DEBUG_18: J45.19 U1.25 U13.6
/FPGA/DEBUG_19: J45.20 U1.26 U13.8
/FPGA/DEBUG_20: J45.21 U1.28 U13.17
/FPGA/DEBUG_21: J45.22 U1.29 U13.15
/FPGA/DEBUG_22: J45.23 U1.31 U13.13
/FPGA/DEBUG_23: J45.24 U1.32 U13.11
/FPGA/EXT_CLK: R3.2 U1.38
/FPGA/GBIN2: U1.94 U4.37
/FPGA/LED_0: U1.98 U2.2
/FPGA/LED_1: U1.99 U2.4
/FPGA/LED_2: U1.101 U2.6
/FPGA/LED_3: U1.102 U2.8
/FPGA/LED_4: U1.104 U2.17
/FPGA/LED_5: U1.105 U2.15
/FPGA/LED_6: U1.106 U2.13
/FPGA/LED_7: U1.107 U2.11
/FPGA/MCU_CLK: U1.37 U4.39
/FPGA/PLL_CLK: R5.2 U1.39
/FPGA/PLL_LOCK: U1.41 U4.38
/FPGA/SCK: U1.70 U4.29
/FPGA/SI: U1.68 U4.30
/FPGA/SO: U1.67 U4.31
/FPGA/TRIG_IN: R8.2 U1.49
/FPGA/TRIG_IN_0: U1.110 U24.9
/FPGA/TRIG_IN_1: U1.112 U24.8
/FPGA/TRIG_IN_2: U1.113 U24.7
/FPGA/TRIG_IN_3: U1.114 U24.6
/FPGA/TRIG_IN_4: U1.115 U24.5
/FPGA/TRIG_IN_5: U1.116 U24.4
/FPGA/TRIG_IN_6: U1.117 U24.3
/FPGA/TRIG_IN_7: U1.118 U24.1
/FPGA/TRIG_IN_8: U1.119 U29.9
/FPGA/TRIG_IN_9: U1.120 U29.8
/FPGA/TRIG_IN_10: U1.121 U29.7
/FPGA/TRIG_IN_11: U1.122 U29.6
/FPGA/TRIG_IN_12: U1.124 U29.5
/FPGA/TRIG_IN_13: U1.125 U29.4
/FPGA/TRIG_IN_14: U1.130 U29.3
/FPGA/TRIG_IN_15: U1.134 U29.1
/FPGA/TRIG_IN_16: U1.135 U34.9
/FPGA/TRIG_IN_17: U1.136 U34.8
/FPGA/TRIG_IN_18: U1.137 U34.7
/FPGA/TRIG_IN_19: U1.138 U34.6
/FPGA/TRIG_IN_20: U1.139 U34.5
/FPGA/TRIG_IN_21: U1.141 U34.4
/FPGA/TRIG_IN_22: U1.142 U34.3
/FPGA/TRIG_IN_23: U1.143 U34.1
/FPGA/TRIG_OUT: R9.2 U1.55
/FPGA/VETO_IN: R6.2 U1.52
/FPGA/VETO_OUT: R7.2 U1.56
/FPGA/~{CRESET}: R31.2 U1.66 U4.16
/FPGA/~{INT}: R28.2 U1.63 U4.27
/FPGA/~{RESET}: R29.2 U1.64 U4.18
/MCU/CS_A: J16.2 U4.11
/MCU/CS_B: J18.2 U4.12
/MCU/D+: R25.2 U4.47
/MCU/D-: R26.2 U4.46
/MCU/DET_A: R33.2 U4.40
/MCU/DET_B: R36.2 U4.41
/MCU/QSPI_SCLK: U3.6 U4.52
/MCU/QSPI_SD0: U3.5 U4.53
/MCU/QSPI_SD1: U3.2 U4.55
/MCU/QSPI_SD2: U3.3 U4.54
/MCU/QSPI_SD3: U3.7 U4.51
/MCU/QSPI_SS: R21.2 R27.2 U3.1 U4.56
/MCU/SD_CLK: J16.5 J18.5 U4.13
/MCU/SD_SI: J16.3 J18.3 U4.14
/MCU/SD_SO: J16.7 J18.7 U4.15
/MCU/SWCLK: J17.1 U4.24
/MCU/SWD: J17.3 U4.25
/MCU/USB_D+: J20.A6 J20.B6 R25.1
/MCU/USB_D-: J20.A7 J20.B7 R26.1
/MCU/VREF_SCL: R22.2 U4.3 U15.2 U16.2 U18.2 U20.2 U21.2 U23.2
/MCU/VREF_SDA: R23.2 U4.2 U15.3 U16.3 U18.3 U20.3 U21.3 U23.3
/MCU/XIN: C39.2 U4.20 Y1.1
/MCU/XOUT: R37.2 U4.21
/MCU/~{LDAC}0: U4.9 U15.4
/MCU/~{LDAC}1: U4.8 U16.4
/MCU/~{LDAC}2: U4.7 U18.4
/MCU/~{LDAC}3: U4.6 U20.4
/MCU/~{LDAC}4: U4.5 U21.4
/MCU/~{LDAC}5: U4.4 U23.4
Net-(C40-Pad2): C40.2 R37.1 Y1.3
Net-(D1-A): D1.2 R10.1
Net-(D1-K): D1.1 D2.1 D3.1 D4.1 D5.1 D6.1 D8.1 D9.1 R19.1
Net-(D2-A): D2.2 R11.1
Net-(D3-A): D3.2 R12.1
Net-(D4-A): D4.2 R13.1
Net-(D5-A): D5.2 R14.1
Net-(D6-A): D6.2 R15.1
